# Altium PCB USBtoCAN.PcbDoc
Units mil, origin at the board's own origin, x right, y up, seen from the top; angles counter-clockwise.
Board outline 2900 x 2000 mil, 4 copper layers (Sig/3V3, GND 1, GND 2, Sig/5V), stack 61.811 mil thick; 56 components, 48 nets, 383 pads, 133 vias.
Unrouted connection lines stored in the file: 22.
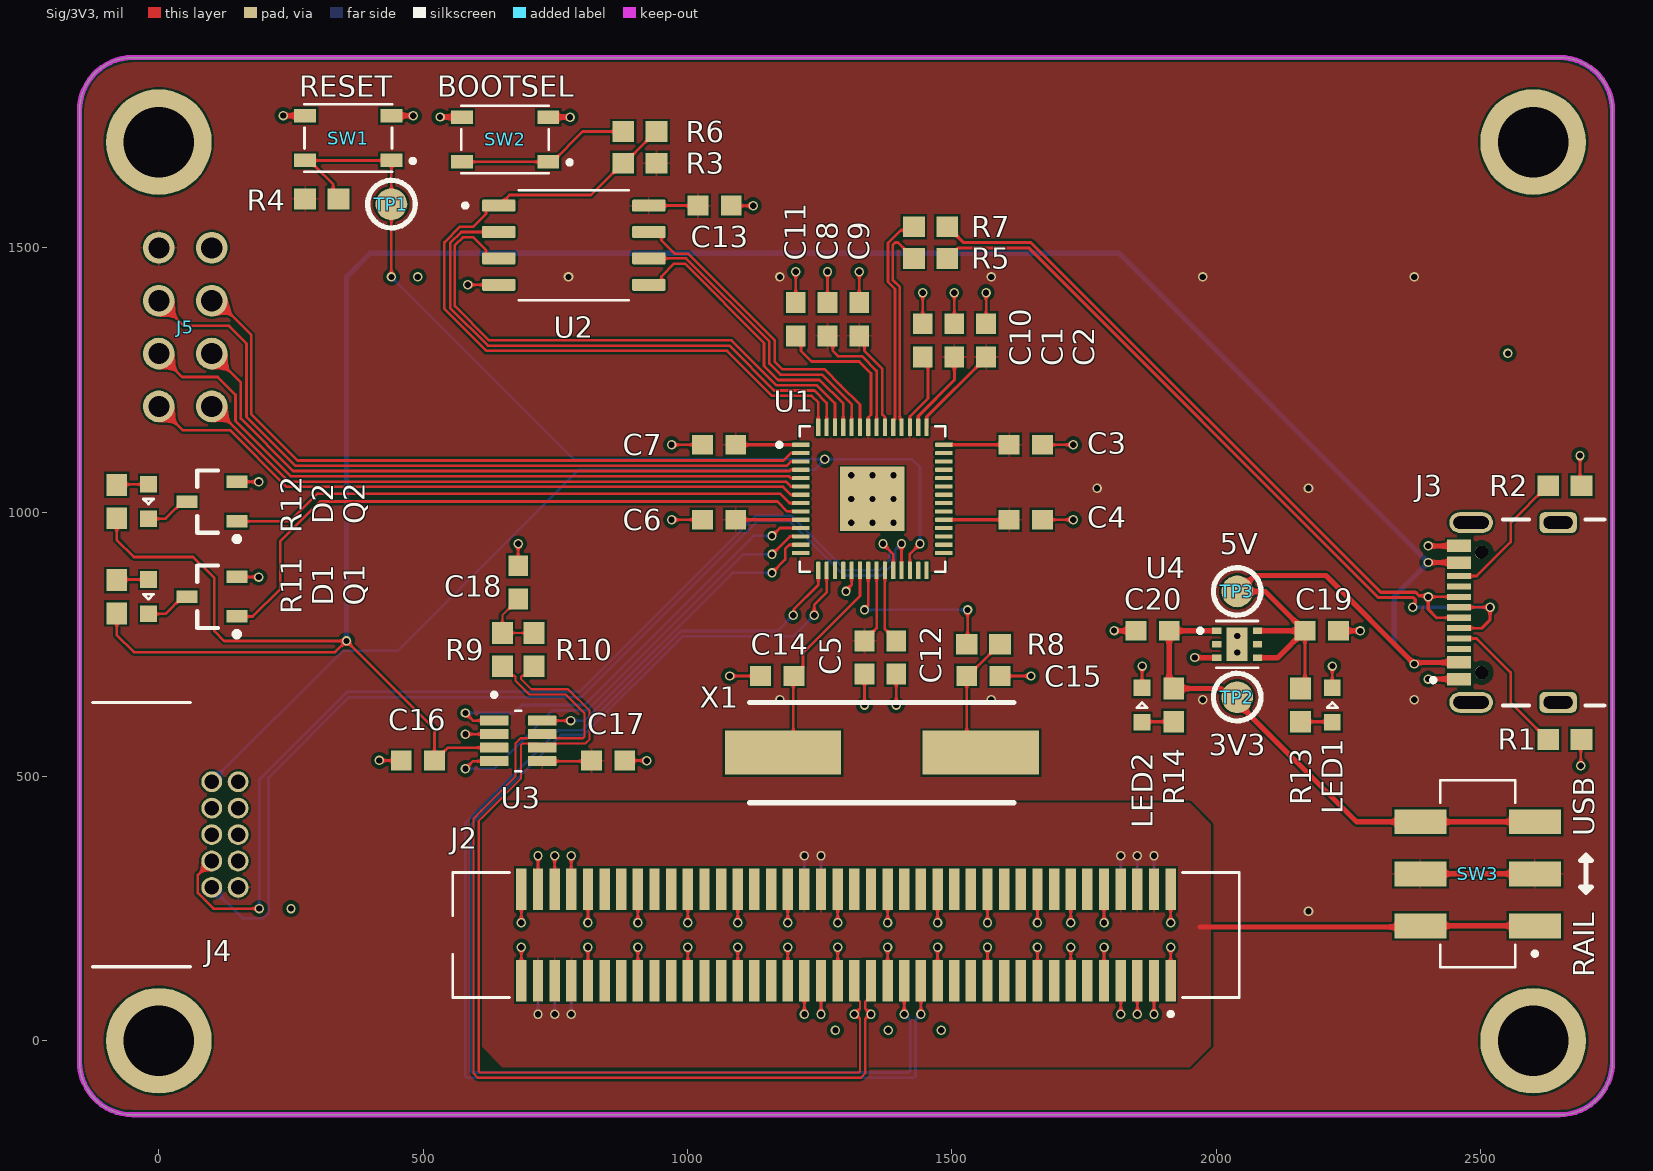
[diagram p0: Sig/3V3 view]
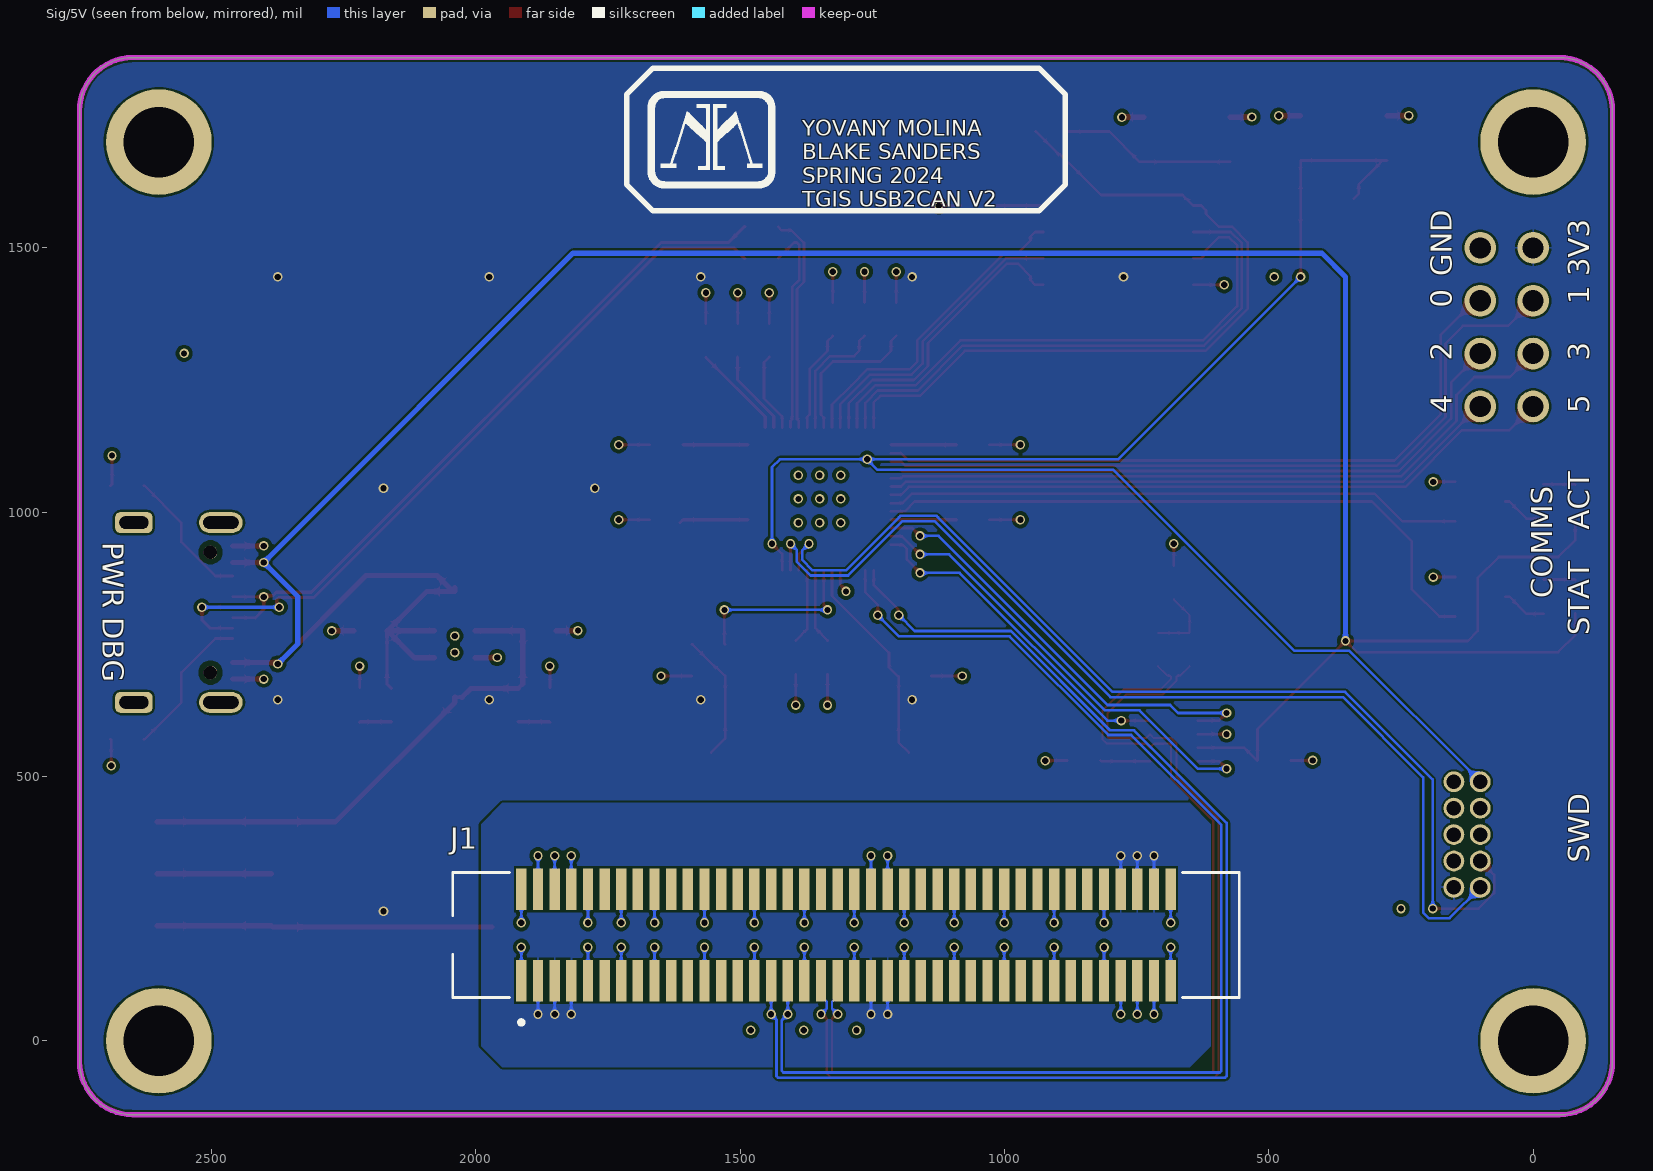
[diagram p1: Sig/5V view, seen from below]
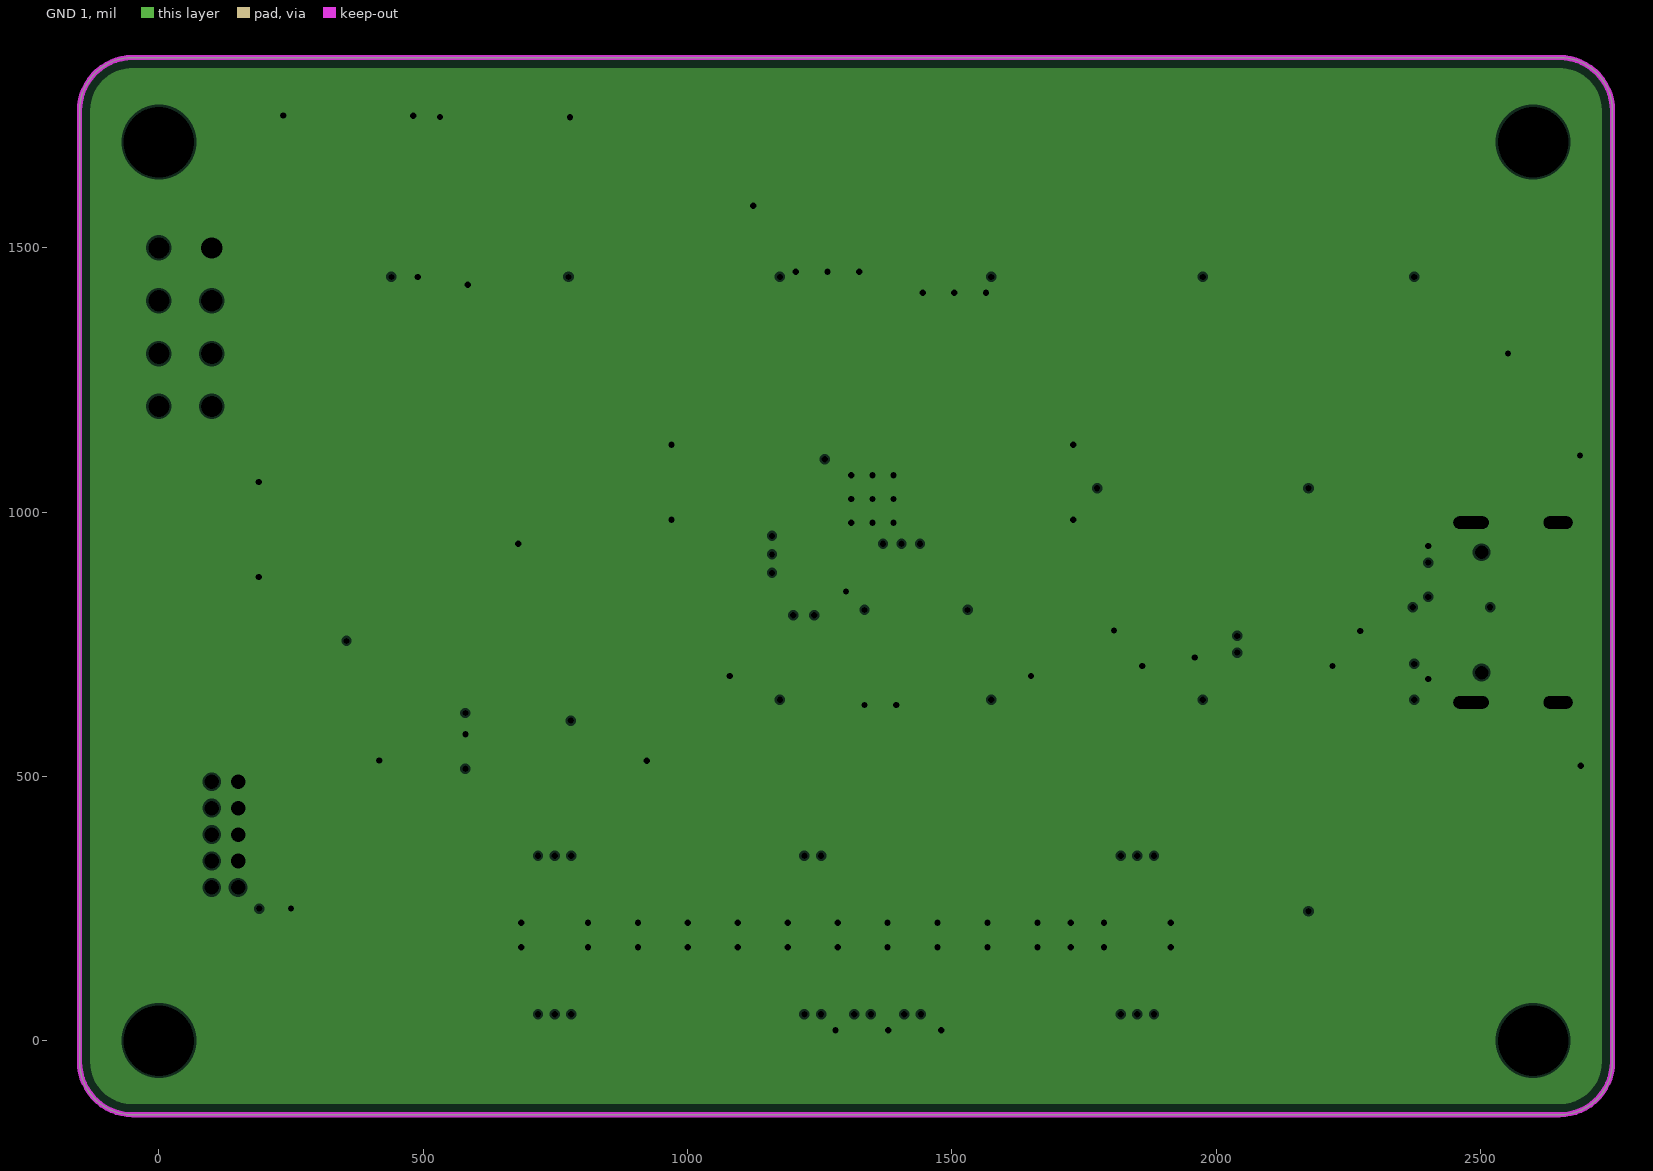
[diagram p2: GND 1, clearances drawn from the general rule]
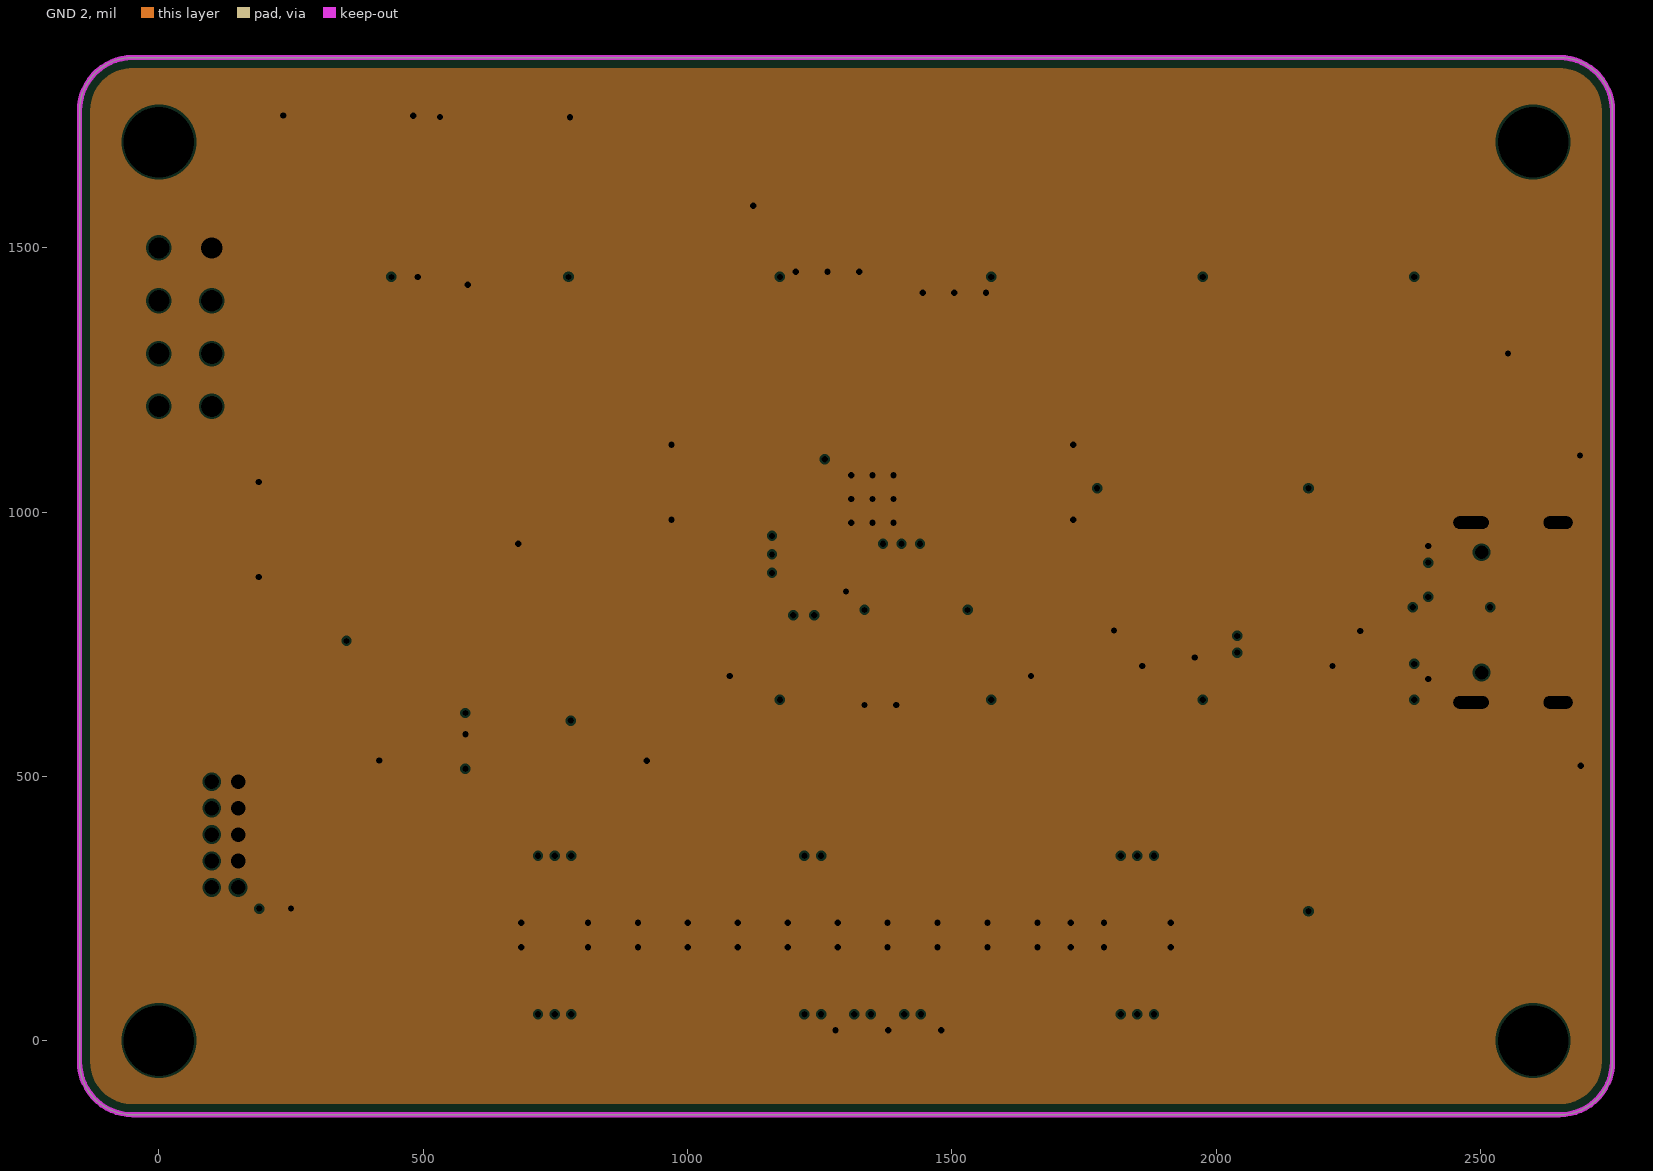
[diagram p3: GND 2, clearances drawn from the general rule]

## Layer stack, top to bottom
Top Mask: solder mask 0.5906, Solder Resist, Dk 3.8
Sig/3V3: signal copper 1.378
Dielectric 1: prepreg 7.874, 7628, Dk 4.6
GND 1: plane copper 0.689, net GND
Core: core 41.9291, FR-4, Dk 4.5
GND 2: plane copper 0.689, net GND
Dielectric 2: prepreg 7.874, 7628, Dk 4.6
Sig/5V: signal copper 1.378
Bottom Mask: solder mask 0.5906, Solder Resist, Dk 3.8

## Board outline
-150,-40 -150,1760 cw(c-50,1760) -50,1860 2650,1860 cw(c2650,1760) 2750,1760 2750,-40 cw(c2650,-40) 2650,-140 -50,-140 cw(c-50,-40)

## Design rules (kind name [scope] priority, off if disabled: settings)
BoardOutlineClearance [All] p1: gap=7.87 ignorepadtopadclearanceinfootprint=FALSE
Clearance [All] p1: gap=4 ignorepadtopadclearanceinfootprint=FALSE except(5: Arc-Via Track-Via SMDPad-Via THPad-Via Via-Via Via-Fill Via-Poly Via-Region Via-Text; 9.84: Arc-Hole Track-Hole SMDPad-Hole THPad-Hole Via-Hole Fill-Hole Poly-Hole Region-Hole Text-Hole)
ComponentClearance [All] p1: gap=4 collisioncheckmode=3 verticalgap=4 showdistances=TRUE
DiffPairsRouting "Schematic Differential Pairs Routing_2" [InNetClass('CAN0')] p1: maxlimit=6 minlimit=6 mostfreqgap=6 toplayer_minwidth=4 toplayer_maxwidth=4 toplayer_prefwidth=4 bottomlayer_minwidth=4 bottomlayer_maxwidth=4 bottomlayer_prefwidth=4 maxuncoupledlength=5
DiffPairsRouting "Schematic Differential Pairs Routing_1" [InNetClass('USB0_RP')] p2: maxlimit=5 minlimit=4 mostfreqgap=4 toplayer_minwidth=5 toplayer_maxwidth=6 toplayer_prefwidth=6 bottomlayer_minwidth=5 bottomlayer_maxwidth=6 bottomlayer_prefwidth=6 maxuncoupledlength=100
DiffPairsRouting "Schematic Differential Pairs Routing" [InNetClass('USB0_D')] p3: maxlimit=4 minlimit=4 mostfreqgap=4 toplayer_minwidth=6 toplayer_maxwidth=6 toplayer_prefwidth=6 bottomlayer_minwidth=6 bottomlayer_maxwidth=6 bottomlayer_prefwidth=6 maxuncoupledlength=100
DiffPairsRouting [All] p4: maxlimit=4 minlimit=4 mostfreqgap=4 toplayer_minwidth=4 toplayer_maxwidth=71497.94 toplayer_prefwidth=4 bottomlayer_minwidth=4 bottomlayer_maxwidth=71497.94 bottomlayer_prefwidth=4 maxuncoupledlength=500
Height [All] p1: minheight=0 maxheight=71497.94 prefheight=500
HoleSize [All] p1: absolutevalues=TRUE maxlimit=248.03 minlimit=7.87 maxpercent=80.000 minpercent=20.000
HoleToHoleClearance [All] p1: gap=9.84 allowstackedmicrovias=FALSE
MatchedLengths "Schematic Matched Net Lengths_2" [InNetClass('USB0_RP')] p1: tolerance=10 checknetsindiffpair=TRUE checkdiffpairvsdiffpair=FALSE checkxsignals=FALSE checkothers=FALSE
MatchedLengths "Schematic Matched Net Lengths_1" [InNetClass('USB0_D')] p2: tolerance=10 checknetsindiffpair=FALSE checkdiffpairvsdiffpair=TRUE checkxsignals=TRUE checkothers=TRUE
MatchedLengths "Schematic Matched Net Lengths" [InNetClass('CAN0')] p3: tolerance=5 checknetsindiffpair=FALSE checkdiffpairvsdiffpair=TRUE checkxsignals=TRUE checkothers=TRUE
MinimumAnnularRing [All] p1: minimumring=3
MinimumSolderMaskSliver [All] p1: minsoldermaskwidth=0
PlaneClearance [All] p1: clearance=4
PlaneConnect PlaneConnectPowerPads [InPadClass('PowerPads')] p1: planeconnectstyle=Direct reliefexpansion=20 reliefentries=4 reliefconductorwidth=10 reliefairgap=10
PlaneConnect [All] p2: pad.planeconnectstyle=Relief pad.reliefexpansion=11.81 pad.reliefentries=4 pad.reliefconductorwidth=4 pad.reliefairgap=4 via.planeconnectstyle=Direct via.reliefexpansion=11.81 via.reliefentries=4 via.reliefconductorwidth=5 via.reliefairgap=5
PolygonConnect PolygonConnectPowerPads [All vs (InPadClass('PowerPads'))] p1: connectstyle=Direct reliefconductorwidth=10 reliefentries=4 polygonreliefangle="90 Angle" airgapwidth=10
PolygonConnect [All] p2: thpad.connectstyle=Relief thpad.reliefconductorwidth=4 thpad.reliefentries=4 thpad.polygonreliefangle="90 Angle" thpad.airgapwidth=4 smdpad.connectstyle=Relief smdpad.reliefconductorwidth=4 smdpad.reliefentries=4 smdpad.polygonreliefangle="90 Angle" smdpad.airgapwidth=4 via.connectstyle=Direct via.reliefconductorwidth=5 via.reliefentries=4 via.polygonreliefangle="90 Angle" via.airgapwidth=5
RoutingVias [All] p1: holewidth=7.87 width=17.72 viastyle="Through Hole" minholewidth=7.87 minwidth=17.72 maxholewidth=248.03 maxwidth=257.87
SilkToSilkClearance [All] p1: silktosilkclearance=0
SilkToSolderMaskClearance [IsPad] p1: minsilkscreentomaskgap=4 clearancetoexposedcopper=TRUE
SolderMaskExpansion [All] p1: expansion=2.95 istentingtop=FALSE
Width [All] p1: maxlimit=71497.94 minlimit=4 preferedwidth=4
20 further rules are at their usual default settings.

## Classes and differential pairs
differential pair class USB0_RP_LINES: USB0_RP
differential pair class USB0_LINES: USB0_D USB1_D
differential pair class CAN0_LINES: CAN0
net class USB0_RP: USB0_RP_N USB0_RP_P
net class USB0_D: USB0_D_N USB0_D_P
net class CAN0: CAN0_N CAN0_P
component class Transceivers: C16 C17 C18 D1 D2 Q1 Q2 R9 R10 R11 R12 U3
component class Power: C19 C20 LED1 LED2 R13 R14 SW3 TP2 TP3 U4
component class Microcontroller: C1 C2 C3 C4 C5 C6 C7 C8 C9 C10 C11 C12 C13 C14 C15 J5 R3 R4 R5 R6 R7 R8 SW1 SW2 TP1 U1 U2 X1
component class Connectors: J1 J2 J3 J4 R1 R2
differential pair USB0_RP: +USB0_RP_P -USB0_RP_N
differential pair USB0_D: +USB0_D_P -USB0_D_N
differential pair CAN0: +CAN0_P -CAN0_N

## Components (designator, comment, footprint, x,y, rotation, side; value= is the part's Value field where it differs from the comment)
C1 "1uF" CAPC0603 1505,1325 r270 top
C2 "100nF" CAPC0603 1565,1325 r270 top
C3 "100nF" CAPC0603 1640,1127.36 r180 top
C4 "100nF" CAPC0603 1640,985.63 r180 top
C5 "100nF" CAPC0603 1335,725 r90 top
C6 "100nF" CAPC0603 1060,985.63 r0 top
C7 "100nF" CAPC0603 1060,1127.36 r0 top
C8 "100nF" CAPC0603 1265,1365 r270 top
C9 "100nF" CAPC0603 1325,1365 r270 top
C10 "1uF" CAPC0603 1445,1325 r270 top
C11 "100nF" CAPC0603 1205,1365 r270 top
C12 "100nF" CAPC0603 1395,725 r90 top
C13 "100nF" CAPC0603 1051.5,1580 r180 top
C14 "27pF" CAPC0603 1170,690 r0 top
C15 "27pF" CAPC0603 1560,690 r180 top
C16 "100nF" CAPC0603 490,530 r0 top
C17 "100nF" CAPC0603 850,530 r180 top
C18 "Cap" CAPC0603 679.72,867.2 r90 top value=CT
C19 "1uF" CAPC0603 2200,775.59 r180 top
C20 "1uF" CAPC0603 1880,775.59 r0 top
D1 "GREEN" LED0603 -19.68,840 r270 top
D2 "YELLOW" LED0603 -19.69,1020 r270 top
J1 "10144517-081802LF" AMPHENOL_10144517-081802LF 1300,200 r0 bottom
J2 "10144518-083802LF" AMPHENOL_10144518-083802LF 1300,200 r180 top
J3 "USB4105-GF-A" GCT_USB4105-GF-A 2647.2,810.16 r90 top
J4 "3221-10" 3220-10-0200-00 -110,390 r90 top
J5 "PH2RA-08-UA" PH2RA-08-UA 100,1500 r270 top
LED1 "RED" LED0603 2220,635 r90 top
LED2 "YELLOW" LED0603 1860,635 r90 top
Q1 "MMUN2235LT1G" SOT-23-3 100.32,840 r180 top
Q2 "MMUN2235LT1G" SOT-23-3 100.32,1020 r180 top
R1 "5.1kR" RES0603 2660,570 r180 top
R2 "5.1kR" RES0603 2660,1050 r180 top
R3 "Res" RES0603 910,1660 r0 top value=DNP
R4 "1kR" RES0603 308.11,1592.68 r180 top
R5 "27.4R" RES0603 1460,1480 r0 top
R6 "1kR" RES0603 910,1720 r0 top
R7 "27.4R" RES0603 1460,1540 r0 top
R8 "1kR" RES0603 1560,750 r180 top
R9 "Res" RES0603 650,740 r90 top value=RT/2
R10 "Res" RES0603 710,740 r270 top value=RT/2
R11 "270R" RES0603 -79.68,840 r270 top
R12 "270R" RES0603 -79.68,1020 r270 top
R13 "1kR" RES0603 2160,635 r90 top
R14 "1kR" RES0603 1920,635 r90 top
SW1 "PTS810 SJK 250" SW_PTS810_SJM_250_SMTR_LFS 358.31,1707.68 r180 top
SW2 "PTS810 SJK 250" SW_PTS810_SJM_250_SMTR_LFS 655,1705 r180 top
SW3 "JS202011SCQN" SW_JS202011SCQN 2495,315.83 r90 top
TP1 "TP" TPAD-60MIL 440,1582.68 r0 top
TP2 "TP" TPAD-60MIL 2040,650 r0 top
TP3 "TP" TPAD-60MIL 2040,850 r0 top
U1 "RP2040" QFN40P700X700X90-57N 1350,1025 r0 top
U2 "W25Q128JVSIQ" SOIC127P790X216-8N 785,1505 r0 top locked
U3 "TCAN1044AV" SOT65P280X110-8N 679.72,567.2 r0 top
U4 "TLV757P" VREG_TLV75733PDRVR 2040,750 r0 top
X1 "12.000MHZ" ABLS-12.000MHZ 1555,545 r180 top

## Footprints (in the part's own frame and the unit in brackets; to place one, negate y for a bottom-side part, rotate by r counter-clockwise, add the part's x,y. Pads: shape width x height; smd on the part's side, far side on the other; paste and mask are expansions set on the pad)
3220-10-0200-00 [mm]
  round 1 hole 0.7: 1(-2.54,-6.604) 2(-2.54,-5.334) 3(-1.27,-6.604) 4(-1.27,-5.334) 5(0,-6.604) 6(0,-5.334) 7(1.27,-6.604) 8(1.27,-5.334) 9(2.54,-6.604) 10(2.54,-5.334)
  silkscreen extent -6.35,-4.32 6.35,0.38, body extent -6.32,-6.81 6.32,0.76, height 5.14
ABLS-12.000MHZ [mil]
  rect 220x83 smd paste-22.44 mask+1.97: 1(0,0) 2(374,0)
  silkscreen extent -63,-95 437,95, body extent -60,-93 440,93, height 160
AMPHENOL_10144517-081802LF [mm]
  rect 0.5x2 smd: 1(15.6,2.2) 2(15.6,-2.2) 3(14.8,2.2) 4(14.8,-2.2) 5(14,2.2) 6(14,-2.2) 7(13.2,2.2) 8(13.2,-2.2) 9(12.4,2.2) 10(12.4,-2.2) 11(11.6,2.2) 12(11.6,-2.2) 13(10.8,2.2) 14(10.8,-2.2) 15(10,2.2) 16(10,-2.2) 17(9.2,2.2) 18(9.2,-2.2) 19(8.4,2.2) 20(8.4,-2.2) 21(7.6,2.2) 22(7.6,-2.2) 23(6.8,2.2) 24(6.8,-2.2) 25(6,2.2) 26(6,-2.2) 27(5.2,2.2) 28(5.2,-2.2) 29(4.4,2.2) 30(4.4,-2.2) 31(3.6,2.2) 32(3.6,-2.2) 33(2.8,2.2) 34(2.8,-2.2) 35(2,2.2) 36(2,-2.2) 37(1.2,2.2) 38(1.2,-2.2) 39(0.4,2.2) 40(0.4,-2.2) 41(-0.4,2.2) 42(-0.4,-2.2) 43(-1.2,2.2) 44(-1.2,-2.2) 45(-2,2.2) 46(-2,-2.2) 47(-2.8,2.2) 48(-2.8,-2.2) 49(-3.6,2.2) 50(-3.6,-2.2) 51(-4.4,2.2) 52(-4.4,-2.2) 53(-5.2,2.2) 54(-5.2,-2.2) 55(-6,2.2) 56(-6,-2.2) 57(-6.8,2.2) 58(-6.8,-2.2) 59(-7.6,2.2) 60(-7.6,-2.2) 61(-8.4,2.2) 62(-8.4,-2.2) 63(-9.2,2.2) 64(-9.2,-2.2) 65(-10,2.2) 66(-10,-2.2) 67(-10.8,2.2) 68(-10.8,-2.2) 69(-11.6,2.2) 70(-11.6,-2.2) 71(-12.4,2.2) 72(-12.4,-2.2) 73(-13.2,2.2) 74(-13.2,-2.2) 75(-14,2.2) 76(-14,-2.2) 77(-14.8,2.2) 78(-14.8,-2.2) 79(-15.6,2.2) 80(-15.6,-2.2)
  silkscreen extent -18.9,-3 18.9,4.3, body extent -18.9,-3 18.9,3, height 3.66
AMPHENOL_10144518-083802LF [mm]
  rect 0.5x2 smd: 1(-15.6,2.2) 2(-15.6,-2.2) 3(-14.8,2.2) 4(-14.8,-2.2) 5(-14,2.2) 6(-14,-2.2) 7(-13.2,2.2) 8(-13.2,-2.2) 9(-12.4,2.2) 10(-12.4,-2.2) 11(-11.6,2.2) 12(-11.6,-2.2) 13(-10.8,2.2) 14(-10.8,-2.2) 15(-10,2.2) 16(-10,-2.2) 17(-9.2,2.2) 18(-9.2,-2.2) 19(-8.4,2.2) 20(-8.4,-2.2) 21(-7.6,2.2) 22(-7.6,-2.2) 23(-6.8,2.2) 24(-6.8,-2.2) 25(-6,2.2) 26(-6,-2.2) 27(-5.2,2.2) 28(-5.2,-2.2) 29(-4.4,2.2) 30(-4.4,-2.2) 31(-3.6,2.2) 32(-3.6,-2.2) 33(-2.8,2.2) 34(-2.8,-2.2) 35(-2,2.2) 36(-2,-2.2) 37(-1.2,2.2) 38(-1.2,-2.2) 39(-0.4,2.2) 40(-0.4,-2.2) 41(0.4,2.2) 42(0.4,-2.2) 43(1.2,2.2) 44(1.2,-2.2) 45(2,2.2) 46(2,-2.2) 47(2.8,2.2) 48(2.8,-2.2) 49(3.6,2.2) 50(3.6,-2.2) 51(4.4,2.2) 52(4.4,-2.2) 53(5.2,2.2) 54(5.2,-2.2) 55(6,2.2) 56(6,-2.2) 57(6.8,2.2) 58(6.8,-2.2) 59(7.6,2.2) 60(7.6,-2.2) 61(8.4,2.2) 62(8.4,-2.2) 63(9.2,2.2) 64(9.2,-2.2) 65(10,2.2) 66(10,-2.2) 67(10.8,2.2) 68(10.8,-2.2) 69(11.6,2.2) 70(11.6,-2.2) 71(12.4,2.2) 72(12.4,-2.2) 73(13.2,2.2) 74(13.2,-2.2) 75(14,2.2) 76(14,-2.2) 77(14.8,2.2) 78(14.8,-2.2) 79(15.6,2.2) 80(15.6,-2.2)
  silkscreen extent -18.9,-3 18.9,3.9, body extent -18.9,-3 18.9,3, height 6.65
CAPC0603 [mm] "Chip Capacitor, 2-Leads, Body 1.60x0.80mm, IPC Medium Density"
  rect 1x0.95 smd: 1(-0.8,0) 2(0.8,0)
  body extent -0.88,-0.48 0.87,0.48, height 0.8
GCT_USB4105-GF-A [mm]
  rect 0.6x1.15 smd: A1_B12(-3.2,4.755) A4_B9(-2.4,4.755) B1_A12(3.2,4.755) B4_A9(2.4,4.755)
  rect 0.3x1.15 smd: A5(-1.25,4.755) A6(-0.25,4.755) A7(0.25,4.755) A8(1.25,4.755) B5(1.75,4.755) B6(0.75,4.755) B7(-0.75,4.755) B8(-1.75,4.755)
  oval 1x2.1 hole 0.6 slot 1.7 at 90 deg: S1(-4.32,4.18) S2(4.32,4.18)
  rrect50% 1x1.8 hole 0.6 slot 1.4 at 90 deg: S3(-4.32,0) S4(4.32,0)
  round 0.65 hole 0.65 unplated paste-2539.97: ""(-2.89,3.68) ""(2.89,3.68)
  silkscreen extent -4.47,-2.22 4.47,6.1, body extent -4.47,-2.6 4.47,5.11, height 3.31
LED0603 [mm] "Chip LED, 2-Leads, Body 1.60x0.80mm, IPC Medium Density"
  rect 0.8x0.8 smd: A(-0.825,0) C(0.825,0)
  silkscreen extent -0.12,-0.25 0.13,0.25, body extent -0.87,-0.48 0.88,0.47, height 0.8
PH2RA-08-UA [mil] "Connector Header Through Hole, Right Angle 8 position 0.100\" (2.54mm)"
  round 60 hole 40: 1(0,-100) 2(100,-100) 3(200,-100) 4(300,-100) 5(0,0) 6(100,0) 7(200,0) 8(300,0)
  body extent -50,-490 350,12, height 197
QFN40P700X700X90-57N [mm]
  rrect25% 0.84x0.2 smd mask+0.05: 1(-3.435,2.6) 2(-3.435,2.2) 3(-3.435,1.8) 4(-3.435,1.4) 5(-3.435,1) 6(-3.435,0.6) 7(-3.435,0.2) 8(-3.435,-0.2) 9(-3.435,-0.6) 10(-3.435,-1) 11(-3.435,-1.4) 12(-3.435,-1.8) 13(-3.435,-2.2) 14(-3.435,-2.6) 29(3.435,-2.6) 30(3.435,-2.2) 31(3.435,-1.8) 32(3.435,-1.4) 33(3.435,-1) 34(3.435,-0.6) 35(3.435,-0.2) 36(3.435,0.2) 37(3.435,0.6) 38(3.435,1) 39(3.435,1.4) 40(3.435,1.8) 41(3.435,2.2) 42(3.435,2.6)